# Altium PCB MainPCB.PcbDoc (part 1 of 3)
Units mil, origin at the board's own origin, x right, y up, seen from the top; angles counter-clockwise.
Board outline 3543.31 x 3543.31 mil, 2 copper layers (Top Layer, Bottom Layer); 134 components, 141 nets, 686 pads, 3686 vias.
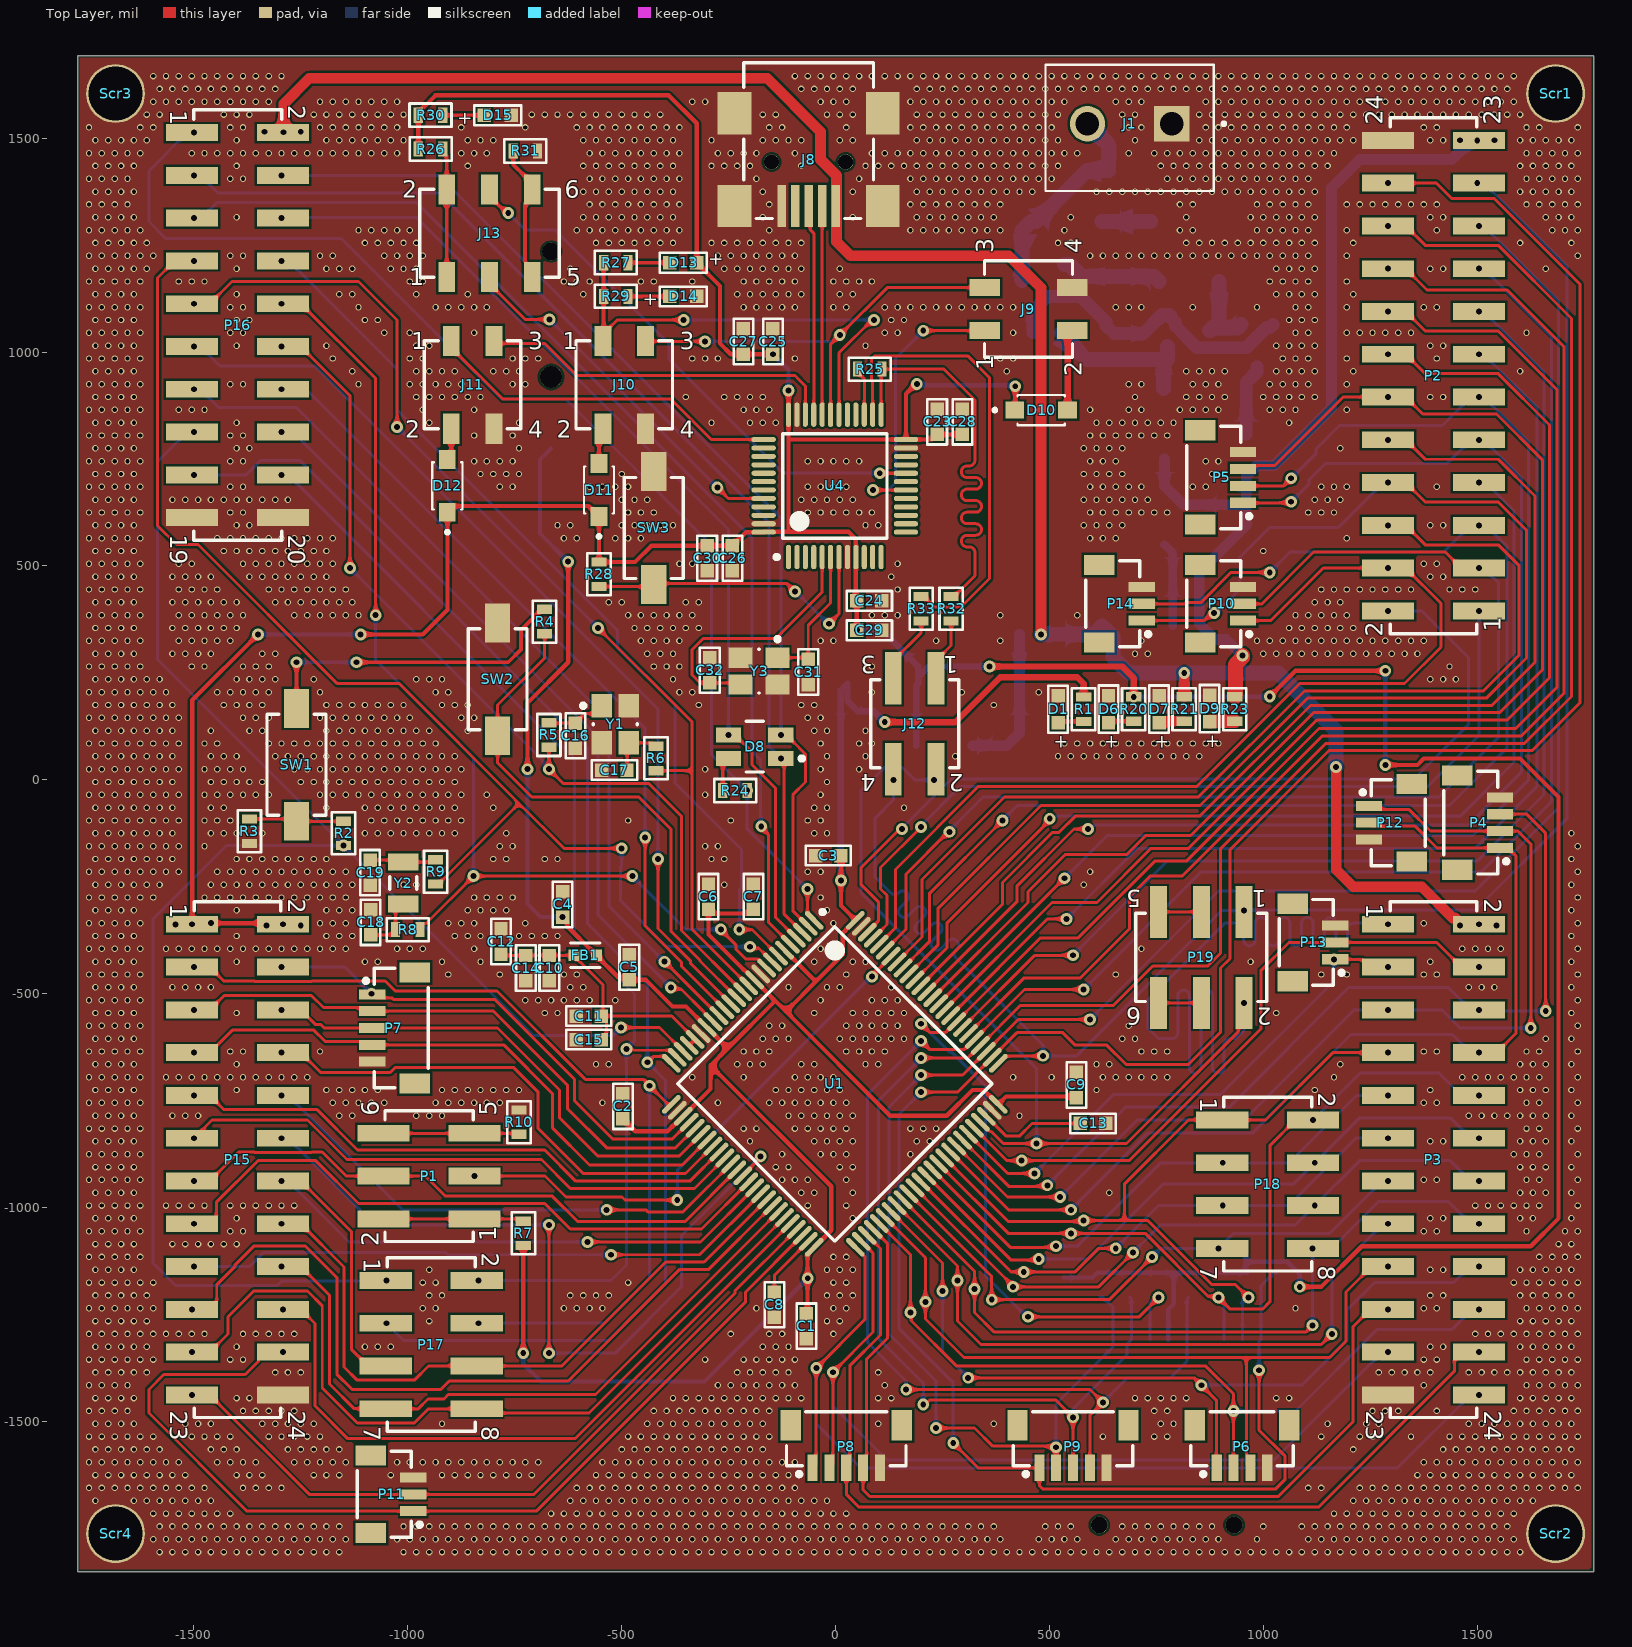
[diagram p0: Top Layer view]
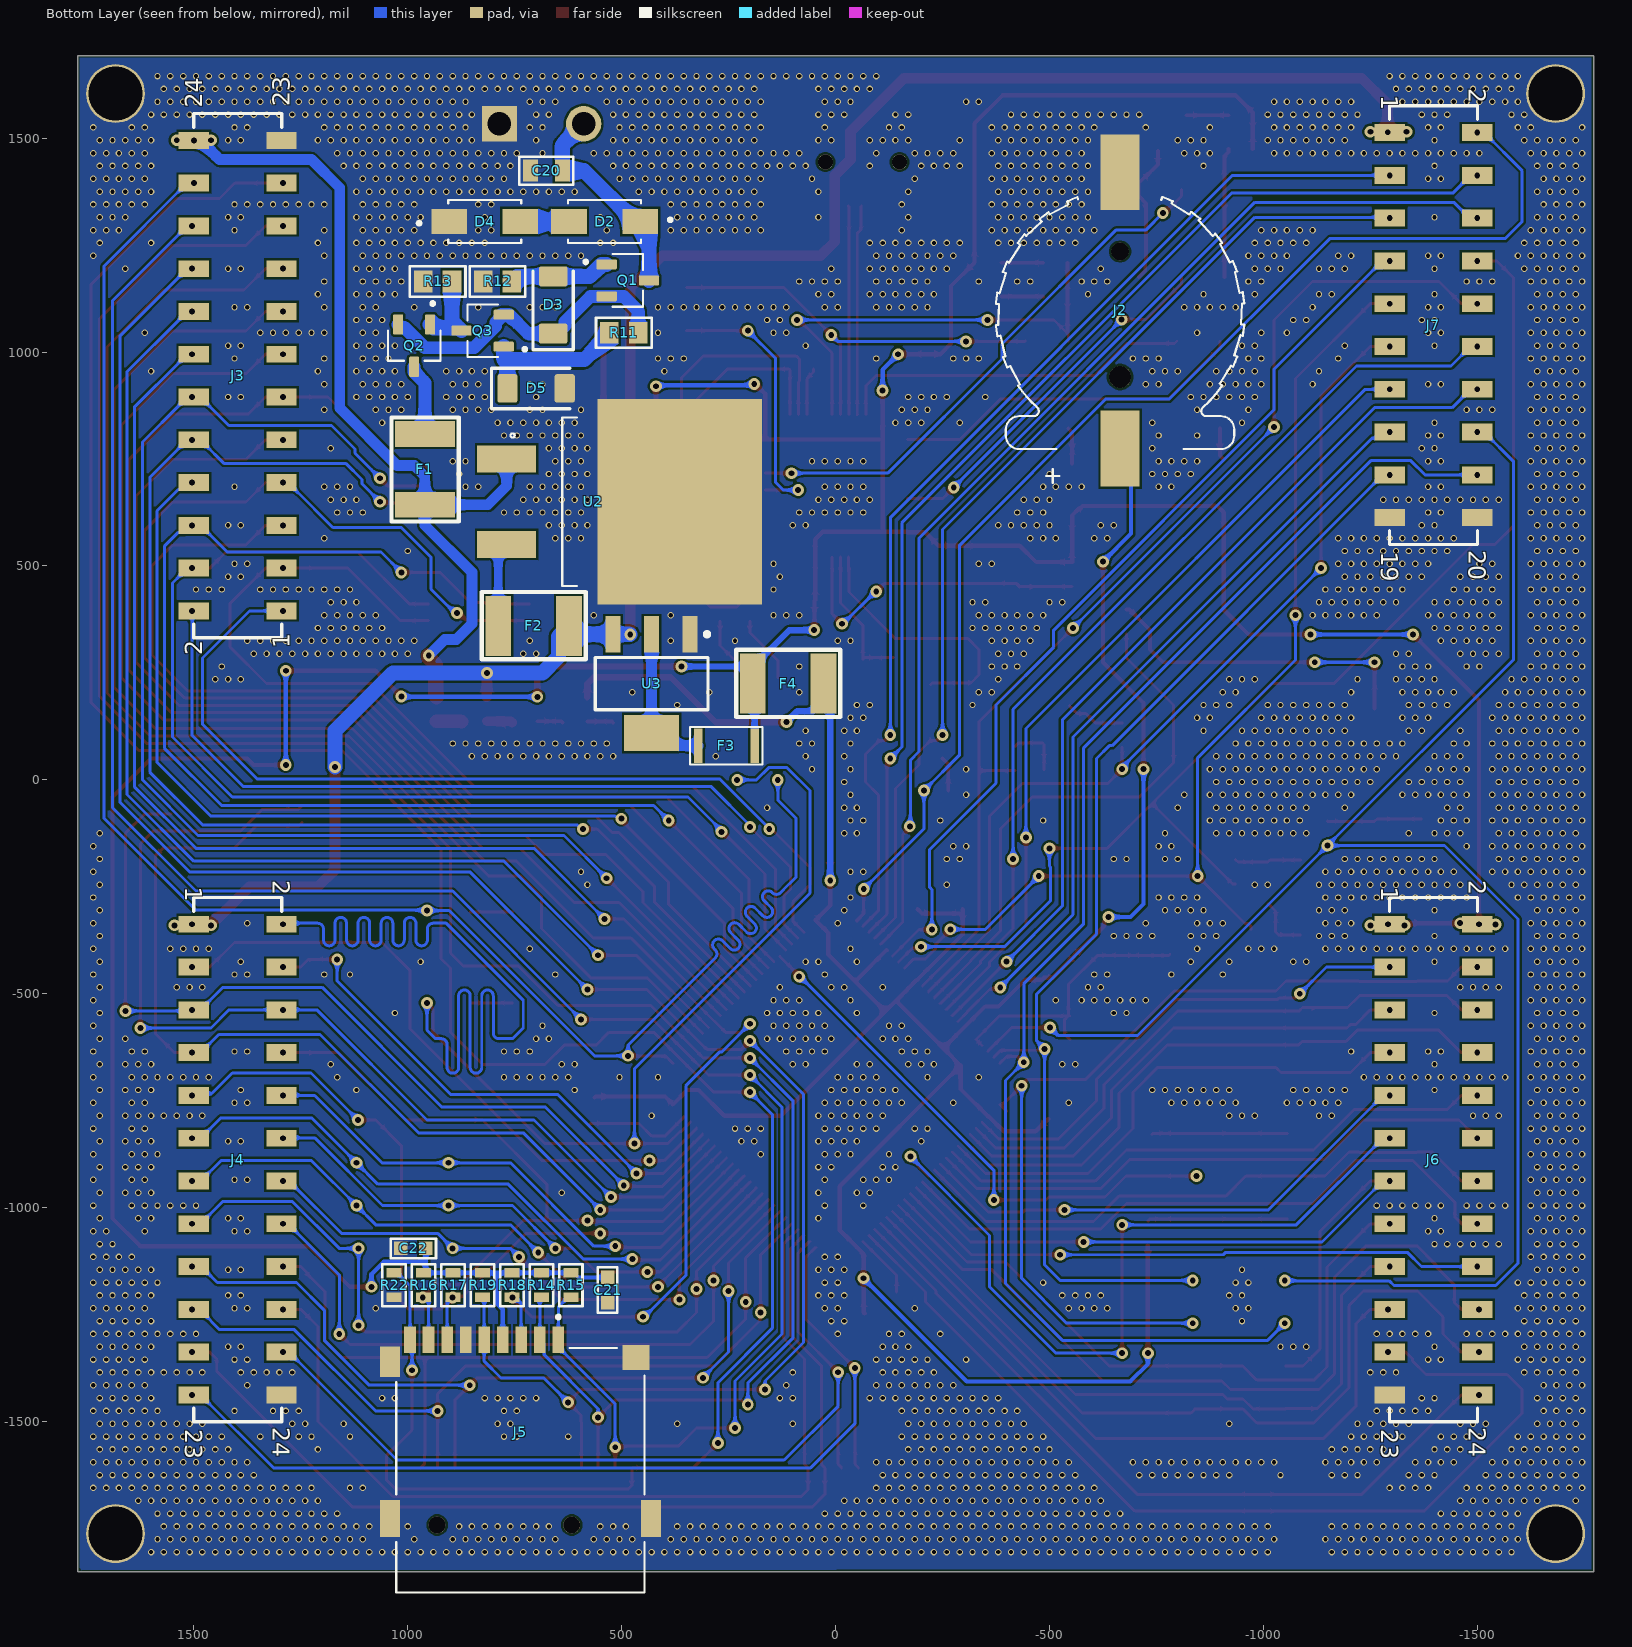
[diagram p1: Bottom Layer view, seen from below]
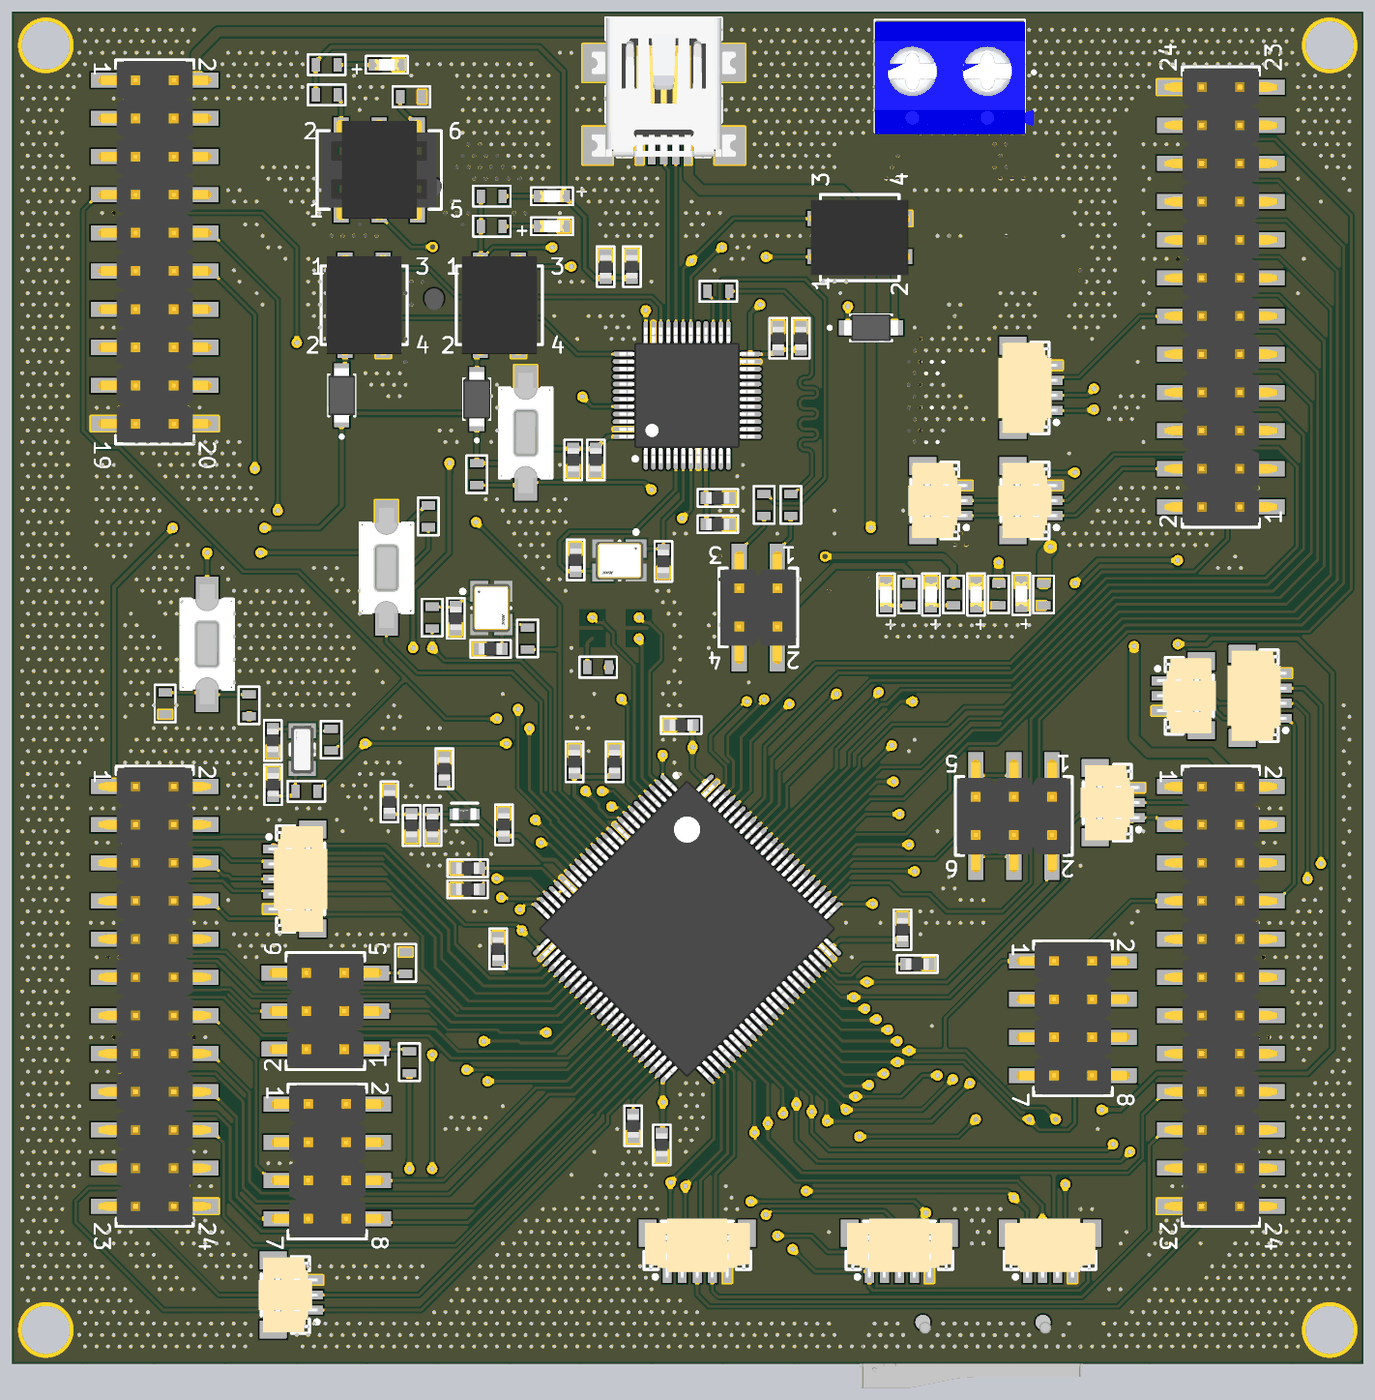
[diagram p4: 3D render of the assembled board from above, using the file's embedded part models]
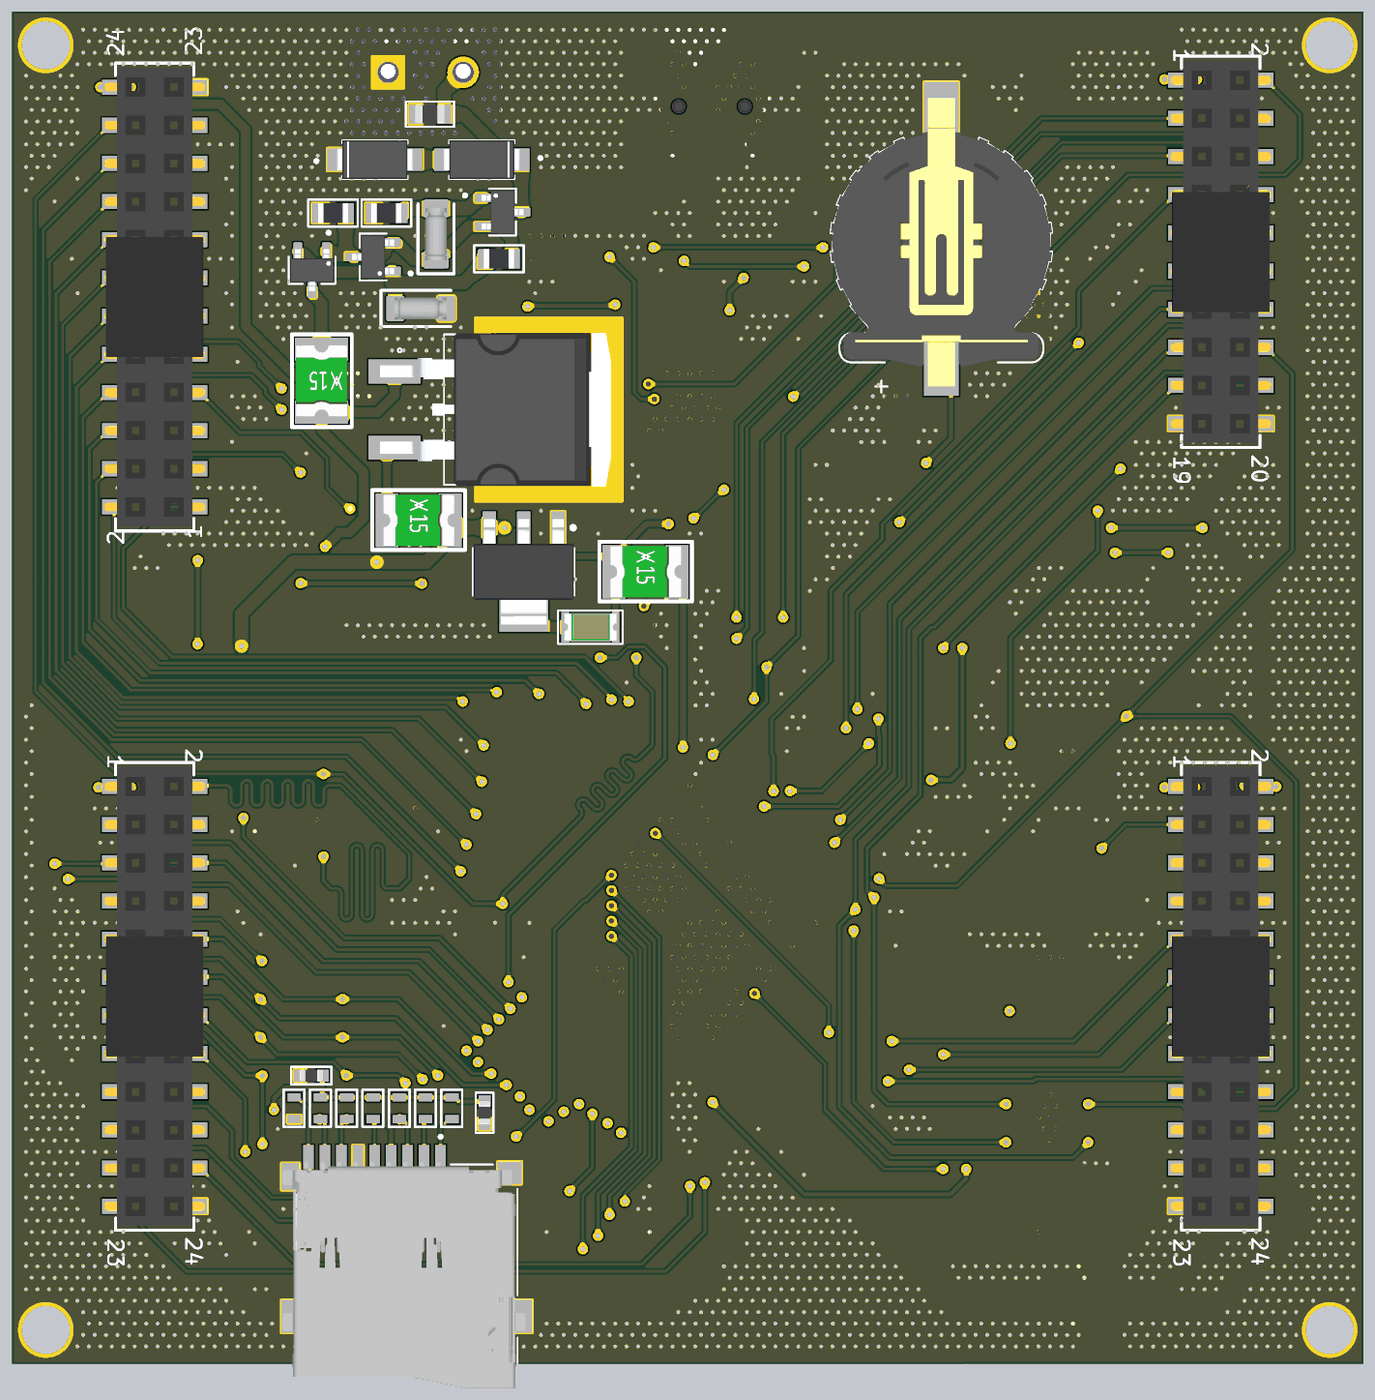
[diagram p5: 3D render of the assembled board from below, using the file's embedded part models]

## Layer stack, top to bottom
Top Solder: solder mask 0.4, Solder Resist, Dk 3.5
Top Layer: signal copper 1.4
Dielectric 1: dielectric 12.6, FR-4, Dk 4.8
Bottom Layer: signal copper 1.4
Bottom Solder: solder mask 0.4, Solder Resist, Dk 3.5

## Board outline
-1771.65,-1850.39 -1771.65,1692.91 1771.65,1692.91 1771.65,-1850.39

## Design rules (kind name [scope] priority, off if disabled: settings)
Clearance [All] p1: gap=5 ignorepadtopadclearanceinfootprint=FALSE
DiffPairsRouting "Schematic Differential Pairs Routing" [InNetClass('STLINK')] p1: maxlimit=10 minlimit=10 mostfreqgap=10 toplayer_minwidth=7 toplayer_maxwidth=10 toplayer_prefwidth=7 bottomlayer_minwidth=7 bottomlayer_maxwidth=10 bottomlayer_prefwidth=7 maxuncoupledlength=500
DiffPairsRouting [All] p2: maxlimit=10 minlimit=10 mostfreqgap=10 toplayer_minwidth=15 toplayer_maxwidth=15 toplayer_prefwidth=15 bottomlayer_minwidth=15 bottomlayer_maxwidth=15 bottomlayer_prefwidth=15 maxuncoupledlength=500
HoleSize [All] p1: absolutevalues=TRUE maxlimit=1000 minlimit=10 maxpercent=80.000 minpercent=20.000
MatchedLengths "Schematic Matched Net Lengths_4" [InNetClass('HD_SWD')] p1: tolerance=1000 checknetsindiffpair=FALSE checkdiffpairvsdiffpair=TRUE checkxsignals=TRUE checkothers=TRUE usedelayunits=TRUE delaytolerance=10.000000
MatchedLengths "Schematic Matched Net Lengths_3" [InNet('NetJ12_1')] p2: tolerance=1000 checknetsindiffpair=FALSE checkdiffpairvsdiffpair=TRUE checkxsignals=TRUE checkothers=TRUE usedelayunits=TRUE delaytolerance=10.000000
MatchedLengths "Schematic Matched Net Lengths_2" [InNet('NetJ12_3')] p3: tolerance=1000 checknetsindiffpair=FALSE checkdiffpairvsdiffpair=TRUE checkxsignals=TRUE checkothers=TRUE usedelayunits=TRUE delaytolerance=10.000000
MatchedLengths "Schematic Matched Net Lengths_1" [InNet('STM32_SWDIO')] p4: tolerance=1000 checknetsindiffpair=FALSE checkdiffpairvsdiffpair=TRUE checkxsignals=TRUE checkothers=TRUE usedelayunits=TRUE delaytolerance=10.000000
MatchedLengths "Schematic Matched Net Lengths" [InNet('STM32_SWCLK')] p5: tolerance=1000 checknetsindiffpair=FALSE checkdiffpairvsdiffpair=TRUE checkxsignals=TRUE checkothers=TRUE usedelayunits=TRUE delaytolerance=10.000000
MinimumSolderMaskSliver [All] p1: minsoldermaskwidth=0
PolygonConnect [All] p1: connectstyle=Direct reliefconductorwidth=10 reliefentries=4 polygonreliefangle="90 Angle" airgapwidth=10
RoutingVias [All] p1: holewidth=28 width=50 viastyle="Through Hole" minholewidth=10 minwidth=50 maxholewidth=28 maxwidth=50
SilkToSilkClearance [All] p1: silktosilkclearance=0
SilkToSolderMaskClearance [IsPad] p1: minsilkscreentomaskgap=0 clearancetoexposedcopper=TRUE
SolderMaskExpansion [All] p1: expansion=4 istentingtop=FALSE
SupplyNets "Schematic Supply Nets_7" [InNet('3V3_MCU_VCCA')] p1: voltage=0.000
SupplyNets "Schematic Supply Nets_6" [InNet('HD_Vin')] p2: voltage=0.000
SupplyNets "Schematic Supply Nets_5" [InNet('HD_5V')] p3: voltage=0.000
SupplyNets "Schematic Supply Nets_4" [InNet('GND')] p4: voltage=0.000
SupplyNets "Schematic Supply Nets_3" [InNet('3V3_STL')] p5: voltage=0.000
SupplyNets "Schematic Supply Nets_2" [InNet('3V3_IO')] p6: voltage=0.000
SupplyNets "Schematic Supply Nets" [InNet('3V3_MCU')] p7: voltage=0.000
Width "Schematic Width Constraint_21" [InNet('HD_Vin')] p1: maxlimit=200 minlimit=20 preferedwidth=30
Width "Schematic Width Constraint_20" [InNet('GND')] p2: maxlimit=200 minlimit=20 preferedwidth=30
Width "Schematic Width Constraint_19" [InNet('NetF2_0')] p3: maxlimit=200 minlimit=20 preferedwidth=20
Width "Schematic Width Constraint" [InNet('3V3_STL')] p4: maxlimit=100 minlimit=10 preferedwidth=10
Width "Schematic Width Constraint_18" [InNet('3V3_STL')] p5: maxlimit=100 minlimit=10 preferedwidth=15
Width "Schematic Width Constraint_17" [InNet('GND')] p6: maxlimit=500 minlimit=30 preferedwidth=35 minimp=50.000000 maximp=50.000000 favimp=50.000000
Width "Schematic Width Constraint_16" [InNet('NetC20_2')] p7: maxlimit=500 minlimit=30 preferedwidth=35 minimp=50.000000 maximp=50.000000 favimp=50.000000
Width "Schematic Width Constraint_15" [InNet('NetD2_A')] p8: maxlimit=500 minlimit=30 preferedwidth=35 minimp=50.000000 maximp=50.000000 favimp=50.000000
Width "Schematic Width Constraint_14" [InNet('NetD3_A')] p9: maxlimit=200 minlimit=30 preferedwidth=35 minimp=50.000000 maximp=50.000000 favimp=50.000000
Width "Schematic Width Constraint_13" [InNet('NetF1_0')] p10: maxlimit=200 minlimit=30 preferedwidth=35
Width "Schematic Width Constraint_12" [InNet('HD_Vin')] p11: maxlimit=200 minlimit=30 preferedwidth=35
Width "Schematic Width Constraint_11" [InNet('HD_5V')] p12: maxlimit=200 minlimit=20 preferedwidth=20
Width "Schematic Width Constraint_10" [InNet('NetD5_K')] p13: maxlimit=200 minlimit=30 preferedwidth=35
Width "Schematic Width Constraint_9" [InNet('NetF2_0')] p14: maxlimit=200 minlimit=20 preferedwidth=30
Width "Schematic Width Constraint_8" [InNet('NetQ2_1')] p15: maxlimit=200 minlimit=30 preferedwidth=35
Width "Schematic Width Constraint_7" [InNet('NetC20_2')] p16: maxlimit=200 minlimit=30 preferedwidth=35 minimp=50.000000 maximp=50.000000 favimp=50.000000
Width "Schematic Width Constraint_6" [InNet('NetD3_K')] p17: maxlimit=200 minlimit=30 preferedwidth=35 minimp=50.000000 maximp=50.000000 favimp=50.000000
Width "Schematic Width Constraint_5" [InNet('GND')] p18: maxlimit=200 minlimit=30 preferedwidth=35 minimp=50.000000 maximp=50.000000 favimp=50.000000
Width "Schematic Width Constraint_4" [InNet('NetF3_0')] p19: maxlimit=100 minlimit=15 preferedwidth=15
Width "Schematic Width Constraint_3" [InNet('3V3_MCU')] p20: maxlimit=100 minlimit=10 preferedwidth=10
Width "Schematic Width Constraint_2" [InNet('GND')] p21: maxlimit=100 minlimit=15 preferedwidth=15
Width "Schematic Width Constraint_1" [InNet('HD_5V')] p22: maxlimit=100 minlimit=15 preferedwidth=15
Width [All] p23: maxlimit=900 minlimit=7 preferedwidth=7
25 further rules are at their usual default settings.

## Classes and differential pairs
net class MCU_SWD: A13 A14
net class HD_SWD: A13 A14
net class STLINK_SWD: A13 A14 NetJ12_1 NetJ12_3 STM32_SWCLK STM32_SWDIO
net class STLINK: 3V3_STL A13 A14 D_N D_P GND LED_STLINK NetD10_1 NetD10_A NetD11_1 NetD11_A NetD12_1 NetD12_A NetD13_1 NetD14_2 NetD15_2 NetJ12_1 NetJ12_3 NetJ13_1 NetJ13_5 NetR25_2 NetU4_1 NetU4_2 NetU4_3 NetU4_4 NetU4_10 NetU4_11 NetU4_12 NetU4_13 NetU4_14 NetU4_15 NetU4_16 NetU4_17 NetU4_19 NetU4_21 NetU4_22 NetU4_28 NetU4_29 NetU4_38 NetU4_39 NetU4_40 NetU4_41 NetU4_42 NetU4_43 NetU4_45 NetU4_46 RST-STM8 STL-RESET STL_BOOT0 STL_BOOT1 STL_OSC_IN STL_OSC_OUT STL_RX STL_SWCLK STL_SWDIO STM32_SWCLK STM32_SWDIO
net class POWER: 3V3_MCU 3V3_STL GND HD_5V HD_Vin NetC20_2 NetD2_A NetD3_A NetD3_K NetD5_K NetF1_0 NetF2_0 NetF3_0 NetQ2_1
component class U_TopLevelDesign: J8 Scr1 Scr2 Scr3 Scr4
component class U_ST-LinkV2: C23 C24 C25 C26 C27 C28 C29 C30 C31 C32 D10 D11 D12 D13 D14 D15 J9 J10 J11 J12 J13 R25 R26 R27 R28 R29 R30 R31 R32 R33 SW3 U4 Y3
component class U_Power: C20 D2 D3 D4 D5 F1 F2 F3 F4 J1 J2 Q1 Q2 Q3 R11 R12 R13 U2 U3
component class U_MainMCU: C1 C2 C3 C4 C5 C6 C7 C8 C9 C10 C11 C12 C13 C14 C15 C16 C17 C18 C19 D1 FB1 P1 R1 R2 R3 R4 R5 R6 R7 R8 R9 R10 SW1 SW2 U1 Y1 Y2
component class U_Header_and_OnboardConponents: C21 C22 D6 D7 D8 D9 J3 J4 J5 J6 J7 P2 P3 P4 P5 P6 P7 P8 P9 P10 P11 P12 P13 P14 P15 P16 P17 P18 P19 R14 R15 R16 R17 R18 R19 R20 R21 R22 R23 R24
differential pair D: +D_P -D_N
